# KiCad board 8851_HW-U1-VCU118_REV2-0_071417.kicad_pcb

Outline 237.5 x 173.18 mm; copper layers: TOP, 02_GND, 03_SIG1, 04_GND, 05_SIG2, 06_GND, 07_SIG3, 08_GND, 09_PWR1, 10_GND, 11_PWR2, 12_PWR3, 13_GND, 14_SIG4, 15_GND, 16_SIG5, 17_GND, 18_SIG6, 19_GND, 20_SIG7, 21_GND, BOTTOM. Coordinates in mm from the lower left corner of the outline.
Outline path: 0,173.18 0,4.4 14.78,4.4 14.78,12.53 32.83,12.53 32.83,4.43 40.7,4.43 40.7,10.75 arc(42.5,8.95) 44.3,10.75 44.3,0.5 44.8,0 54.81,0 55.31,0.5 55.31,7.34 arc(56.25,6.4) 57.19,7.34 57.19,0.5 57.69,0 126.78,0 127.28,0.5 127.28,12.53 237.5,12.53 237.5,173.18 0,173.18

## Placement (name value [footprint] x y rotation side)
B1  -  [unnamed#155]  173.33 24.78 270 top
C1  -  [unnamed#2]  53.44 52.31 270 top
C2  -  [unnamed#5]  116 57.93 90 top
C3  -  [unnamed#24]  41.93 55.3 0 top
C4  -  [unnamed#180]  115.39 54.48 0 top
C5  -  [unnamed#5]  49.38 81.8 90 top
C6  -  [unnamed]  36.88 85.67 180 top
C7  -  [unnamed]  49.75 93.8 180 top
C8  -  [unnamed#4]  50.88 81.8 90 top
C9  -  [unnamed#2]  106.59 27.74 270 top
C10  -  [unnamed#2]  105.46 27.74 270 top
C11  -  [unnamed#185]  36.38 87.05 180 top
C12  -  [unnamed#35]  41 94.05 0 top
C13  -  [unnamed#2]  112.9 122.35 270 top
C14  -  [unnamed#2]  114.15 122.35 270 top
C15  -  [unnamed#2]  117.2 119.17 270 top
C16  -  [unnamed#8]  124.95 118.7 0 top
C17  -  [unnamed#5]  93.73 17.45 90 top
C18  -  [unnamed#5]  92.61 17.45 90 top
C19  -  [unnamed#5]  89.44 15.62 90 top
C20  -  [unnamed#5]  88.32 15.62 90 top
C21  -  [unnamed#5]  85.16 17.2 90 top
C22  -  [unnamed#5]  84.03 17.2 90 top
C23  -  [unnamed#8]  88.75 20.98 0 top
C24  -  [unnamed#8]  88.75 22.1 0 top
C25  -  [unnamed#8]  78.62 22.68 0 top
C26  -  [unnamed]  81.38 25.55 180 top
C27  -  [unnamed#8]  86.5 24.93 0 top
C28  -  [unnamed#8]  78.62 21.55 0 top
C29  -  [unnamed#5]  80.82 15.75 90 top
C30  -  [unnamed#5]  79.7 15.75 90 top
C31  -  [unnamed#5]  98.15 17.45 90 top
C32  -  [unnamed#5]  97.03 17.45 90 top
C33  -  [unnamed#5]  100.96 15.87 90 top
C34  -  [unnamed#5]  102.09 15.87 90 top
C35  -  [unnamed#5]  104.9 17.47 90 top
C36  -  [unnamed#5]  106.03 17.47 90 top
C37  -  [unnamed#5]  108.84 15.87 90 top
C38  -  [unnamed#5]  109.96 15.87 90 top
C39  -  [unnamed]  34.45 64.67 180 top
C40  -  [unnamed]  35.09 69.67 180 top
C41  -  [unnamed#5]  53.03 147.25 90 top
C42  -  [unnamed#5]  112.78 17.57 90 top
C43  -  [unnamed#5]  113.9 17.57 90 top
C44  -  [unnamed#5]  116.71 15.87 90 top
C45  -  [unnamed#5]  117.84 15.87 90 top
C46  -  [unnamed#5]  121.52 17.57 90 top
C47  -  [unnamed#5]  122.65 17.57 90 top
C48  -  [unnamed#5]  124.59 15.87 90 top
C49  -  [unnamed#5]  125.71 15.87 90 top
C50  -  [unnamed#5]  74.64 17.87 90 top
C51  -  [unnamed#5]  75.76 17.87 90 top
C52  -  [unnamed#5]  70.35 15.39 90 top
C53  -  [unnamed#2]  141.12 111.92 270 top
C54  -  [unnamed]  11.91 63.35 180 top
C55  -  [unnamed#5]  3.42 69.87 90 top
C56  -  [unnamed#5]  71.47 15.39 90 top
C57  -  [unnamed#8]  6.97 73.75 0 top
C58  -  [unnamed#5]  67.39 19.12 90 top
C59  -  [unnamed#5]  68.52 19.12 90 top
C60  -  [unnamed#5]  63.09 15.87 90 top
C61  -  [unnamed#5]  64.22 15.87 90 top
C62  -  [unnamed#5]  51.25 75.05 90 top
C63  -  [unnamed#5]  50 75.05 90 top
C64  -  [unnamed#2]  18.6 89.04 270 top
C65  -  [unnamed#2]  60.8 45.25 270 top
C66  -  [unnamed#8]  55.45 60.5 0 top
C67  -  [unnamed]  63.08 43.24 180 top
C68  -  [unnamed#55]  17.51 90.25 180 top
C69  -  [unnamed#8]  58.61 44.86 0 top
C70  -  [unnamed#2]  30.77 81.8 270 top
C71  -  [unnamed]  222 71.31 180 top
C72  -  [unnamed#5]  219.25 67.55 90 top
C73  -  [unnamed#8]  227.75 88.92 0 top
C74  -  [unnamed]  229.88 77.8 180 top
C75  -  [unnamed]  55.78 136.75 180 top
C76  -  [unnamed#5]  38.31 75.49 90 top
C77  -  [unnamed#5]  32.39 131.49 90 top
C78  -  [unnamed#35]  36.84 144.55 0 top
C79  -  [unnamed#4]  26.25 141.84 90 top
C80  -  [unnamed#189]  39.63 143.3 270 top
C81  -  [unnamed#5]  197.96 15.79 90 top
C82  -  [unnamed]  36.81 144.59 180 top
C83  -  [unnamed#8]  39.12 136.68 0 top
C84  -  [unnamed#5]  34.87 140.3 90 top
C85  -  [unnamed#5]  33.66 131.49 90 top
C86  -  [unnamed]  43 133.3 180 top
C87  -  [unnamed#5]  43.5 131.49 90 top
C88  -  [unnamed#2]  100.72 26.99 270 top
C89  -  [unnamed#2]  99.6 26.99 270 top
C90  -  [unnamed#5]  38.37 130.24 90 top
C91  -  [unnamed]  144.47 121.37 180 top
C92  -  [unnamed#2]  143.62 120.17 270 top
C93  -  [unnamed#5]  37.25 130.24 90 top
C94  -  [unnamed#2]  125.28 31.3 270 top
C95  -  [unnamed#2]  124.03 31.3 270 top
C96  -  [unnamed#2]  49.73 72.82 270 top
C97  -  [unnamed]  186.25 151.55 180 top
C98  -  [unnamed#2]  183.33 141.9 270 top
C99  -  [unnamed#5]  38.58 72.7 90 top
C100  -  [unnamed#5]  116.17 98.92 90 top
C101  -  [unnamed#5]  117.7 98.92 90 top
C102  -  [unnamed]  63.08 41.99 180 top
C103  -  [unnamed]  33.37 134.93 180 top
C104  -  [unnamed#2]  85.32 103.14 270 top
C105  -  [unnamed#2]  79.32 103.39 270 top
C106  -  [unnamed#2]  73.07 103.39 270 top
C107  -  [unnamed#2]  66.82 103.39 270 top
C108  -  [unnamed#2]  72.07 100.01 270 top
C109  -  [unnamed#2]  36.75 134.43 270 top
C110  -  [unnamed#8]  39.12 137.9 0 top
C111  -  [unnamed#5]  36.5 140.3 90 top
C112  -  [unnamed#5]  39.63 143.3 90 top
C113  -  [unnamed#5]  38 140.3 90 top
C114  -  [unnamed#5]  39.5 135.01 90 top
C115  -  [unnamed#2]  31.75 131.3 270 top
C116  -  [unnamed]  33.25 136.68 180 top
C117  -  [unnamed#5]  219.38 64.67 90 top
C118  -  [unnamed]  63.08 40.74 180 top
C119  -  [unnamed]  63.08 39.49 180 top
C120  -  [unnamed#5]  223.38 68.42 90 top
C121  -  [unnamed#5]  214.21 84.62 90 top
C122  -  [unnamed#8]  55.45 35.58 0 top
C123  -  [unnamed#5]  61.4 24.13 90 top
C124  -  [unnamed#4]  186.03 132.68 90 top
C125  -  [unnamed#5]  203.42 56.95 90 top
C126  -  [unnamed#5]  54.38 74.92 90 top
C127  -  [unnamed#8]  191.2 59.16 0 top
C128  -  [unnamed#5]  192.88 60.8 90 top
C129  -  [unnamed#2]  33 144.53 270 top
C130  -  [unnamed#2]  203.72 62.17 270 top
C131  -  [unnamed#78]  205.67 57.39 90 top
C132  -  [unnamed#35]  134.47 17.82 0 top
C133  -  [unnamed]  42.98 136.49 180 top
C134  -  [unnamed#8]  42.98 136.74 0 top
C135  -  [unnamed#2]  37.84 134.43 270 top
C136  -  [unnamed#5]  31.75 133.44 90 top
C137  -  [unnamed#5]  33.75 140.3 90 top
C138  -  [unnamed]  57.62 88.55 180 top
C139  -  [unnamed#5]  39 140.3 90 top
C140  -  [unnamed]  33.25 137.8 180 top
C141  -  [unnamed#2]  35.62 134.43 270 top
C142  -  [unnamed]  29.62 133.43 180 top
C143  -  [unnamed#5]  31.25 141.63 90 top
C144  -  [unnamed#8]  28.69 145.03 0 top
C145  -  [unnamed#185]  214.44 62.12 180 top
C146  -  [unnamed#66]  213.22 68.9 90 top
C147  -  [unnamed#63]  199.34 68.8 0 top
C148  -  [unnamed#63]  199.34 72.05 0 top
C149  -  [unnamed#2]  214.21 82.5 270 top
C150  -  [unnamed]  204.54 79.74 180 top
C151  -  [unnamed#24]  219.46 81.75 0 top
C152  -  [unnamed#5]  189.21 116.78 90 top
C153  -  [unnamed#24]  168.12 119.42 0 top
C154  -  [unnamed]  189.71 118.78 180 top
C155  -  [unnamed]  170.09 69.16 180 top
C156  -  [unnamed#78]  64.12 47.17 90 top
C157  -  [unnamed#8]  171.64 67.53 0 top
C158  -  [unnamed#5]  132.92 128.24 90 top
C159  -  [unnamed]  82.75 81.05 180 top
C160  -  [unnamed]  149.5 46.42 180 top
C161  -  [unnamed#78]  141.88 107.67 90 top
C162  -  [unnamed#2]  131.57 127.01 270 top
C163  -  [unnamed#24]  176.12 119.3 0 top
C164  -  [unnamed#24]  119.75 102.42 0 top
C165  -  [unnamed#23]  119.75 102.42 180 top
C166  -  [unnamed#63]  175.25 65.17 0 top
C167  -  [unnamed#55]  132.38 123.92 180 top
C168  -  [unnamed#55]  146.38 28.8 180 top
C169  -  [unnamed#63]  129 98.3 0 top
C170  -  [unnamed#63]  165.25 98.3 0 top
C171  -  [unnamed#78]  123.38 129.05 90 top
C172  -  [unnamed#185]  136.53 27.74 180 top
C173  -  [unnamed#189]  200.72 66.17 270 top
C174  -  [unnamed#42]  181.08 140.59 270 top
C175  -  [unnamed#8]  206.09 67.92 0 top
C176  -  [unnamed#2]  113.5 31.3 270 top
C177  -  [unnamed#2]  109.5 31.3 270 top
C178  -  [unnamed#5]  109.5 31.3 90 top
C179  -  [unnamed#5]  110.88 31.3 90 top
C180  -  [unnamed#2]  110.87 31.3 270 top
C181  -  [unnamed#2]  112.25 31.3 270 top
C182  -  [unnamed#5]  112.25 31.3 90 top
C183  -  [unnamed#2]  138.97 27.32 270 top
C184  -  [unnamed#5]  205.32 58.5 90 top
C185  -  [unnamed#8]  211.47 56.17 0 top
C186  -  [unnamed#8]  210.34 67.92 0 top
C187  -  [unnamed#8]  208.22 67.92 0 top
C188  -  [unnamed]  213.49 60.5 180 top
C189  -  [unnamed#189]  203.82 69.25 270 top
C190  -  [unnamed#8]  45.95 128.83 0 top
C191  -  [unnamed]  46.95 139.43 180 top
C192  -  [unnamed#66]  48.95 134.7 90 top
C193  -  [unnamed#23]  219.46 81.75 180 top
C194  -  [unnamed#55]  198.08 39.09 180 top
C195  -  [unnamed#24]  219.46 84.62 0 top
C196  -  [unnamed#23]  174.51 89.67 180 top
C197  -  [unnamed#23]  174.51 86.17 180 top
C198  -  [unnamed#5]  111.6 98.92 90 top
C199  -  [unnamed#5]  113.12 98.92 90 top
C200  -  [unnamed#5]  105.5 98.92 90 top
C201  -  [unnamed#5]  107.02 98.92 90 top
C202  -  [unnamed#2]  103.97 98.92 270 top
C203  -  [unnamed#2]  105.5 98.92 270 top
C204  -  [unnamed]  97.53 22.38 180 top
C205  -  [unnamed#78]  182.88 44.67 90 top
C206  -  [unnamed#145]  150.21 105.69 0 top
C207  -  [unnamed#8]  124.95 119.95 0 top
C208  -  [unnamed#8]  124.95 121.2 0 top
C209  -  [unnamed#8]  124.95 122.45 0 top
C210  -  [unnamed]  126 110.24 180 top
C211  -  [unnamed]  126 109.11 180 top
C212  -  [unnamed]  114.26 112.8 180 top
C213  -  [unnamed]  114.26 111.67 180 top
C214  -  [unnamed]  114.26 115.05 180 top
C215  -  [unnamed#55]  187.78 130.93 180 top
C216  -  [unnamed#55]  187.78 127.68 180 top
C217  -  [unnamed]  114.26 113.92 180 top
C218  -  [unnamed]  114.26 117.3 180 top
C219  -  [unnamed]  114.26 116.17 180 top
C220  -  [unnamed]  125.12 111.67 180 top
C221  -  [unnamed]  125.12 112.8 180 top
C222  -  [unnamed]  125.12 113.92 180 top
C223  -  [unnamed]  125.12 115.05 180 top
C224  -  [unnamed]  125.12 116.17 180 top
C225  -  [unnamed]  125.12 117.3 180 top
C226  -  [unnamed#189]  215.71 81.5 270 top
C227  -  [unnamed#4]  215.71 84.62 90 top
C228  -  [unnamed#2]  206.83 80.75 270 top
C229  -  [unnamed#2]  233.17 101.66 270 top
C230  -  [unnamed#148]  176.56 100.53 180 top
C231  -  [unnamed#2]  206.97 83.45 270 top
C232  -  [unnamed#2]  214.21 80.37 270 top
C233  -  [unnamed#189]  205.26 83.17 270 top
C234  -  [unnamed#35]  36.38 89.8 0 top
C235  -  [unnamed#8]  36.88 88.42 0 top
C236  -  [unnamed#5]  119.53 114.77 90 top
C237  -  [unnamed#5]  26.68 154.7 90 top
C238  -  [unnamed#5]  26.65 151.48 90 top
C239  -  [unnamed#5]  53.25 74.92 90 top
C240  -  [unnamed#8]  174.62 35.67 0 top
C241  -  [unnamed#5]  24.09 98.7 90 top
C242  -  [unnamed#78]  216.88 145.66 90 top
C243  -  [unnamed#5]  22.96 98.7 90 top
C244  -  [unnamed]  57.53 104.64 180 top
C245  -  [unnamed]  57.53 103.52 180 top
C246  -  [unnamed#63]  171.38 60.7 0 top
C247  -  [unnamed#63]  129.38 119.55 0 top
C248  -  [unnamed#63]  155.62 101.5 0 top
C249  -  [unnamed#5]  152.88 54.55 90 top
C250  -  [unnamed#2]  152.5 57.17 270 top
C251  -  [unnamed#5]  146.62 98.05 90 top
C252  -  [unnamed]  149.5 50.98 180 top
C253  -  [unnamed#2]  151.5 62.3 270 top
C254  -  [unnamed#5]  148.38 98.05 90 top
C255  -  [unnamed]  149.5 52.02 180 top
C257  -  [unnamed#33]  173.53 129.95 270 top
C258  -  [unnamed#5]  183.03 136.68 90 top
C288  -  [unnamed#4]  59.14 150.35 90 top
C289  -  [unnamed#35]  51.16 156.43 0 top
C290  -  [unnamed#4]  57.15 150.35 90 top
C294  -  [unnamed#35]  86.88 28.55 0 top
C295  -  [unnamed#35]  6.75 72.17 0 top
C298  -  [unnamed#35]  216.25 140.43 0 top
C324  -  [unnamed#5]  108 21.8 90 top
C330  -  [unnamed#121]  192.96 70.55 270 top
C331  -  [unnamed#5]  151.62 80.55 90 top
C334  -  [unnamed]  149.5 72 180 top
C346  -  [unnamed#185]  15.03 62.47 180 top
C348  -  [unnamed#8]  76.02 47.66 0 top
C349  -  [unnamed#8]  68.39 47.66 0 top
C350  -  [unnamed#2]  66.82 100.01 270 top
C351  -  [unnamed#2]  85.32 100.01 270 top
C352  -  [unnamed#2]  80.57 100.01 270 top
C353  -  [unnamed#8]  68.39 33.78 0 top
C354  -  [unnamed]  76.52 33.78 180 top
C356  -  [unnamed]  57.62 85.17 180 top
C358  -  [unnamed#8]  217.63 150.78 0 top
C369  -  [unnamed]  178.53 130.93 180 top
C370  -  [unnamed]  180.66 130.93 180 top
C406  -  [unnamed#2]  181.43 140.35 270 top
C423  -  [unnamed#35]  173.18 136.73 0 top
C434  -  [unnamed]  72.89 56.16 180 top
C435  -  [unnamed#5]  72.77 50.03 90 top
C436  -  [unnamed]  79.39 56.16 180 top
C437  -  [unnamed#2]  66.52 55.03 270 top
C438  -  [unnamed#2]  66.52 41.16 270 top
C439  -  [unnamed#5]  72.77 36.16 90 top
C440  -  [unnamed]  72.89 42.28 180 top
C441  -  [unnamed]  79.39 42.28 180 top
C451  -  [unnamed#2]  63.12 85.7 270 top
C454  -  [unnamed]  175.28 142.43 180 top
C460  -  [unnamed#172]  77.13 137.34 180 top
C461  -  [unnamed#123]  130.04 107.55 90 top
C462  -  [unnamed#69]  109.54 108.04 0 top
C466  -  [unnamed#3]  112.12 159.99 0 top
C467  -  [unnamed#3]  51.16 160.14 0 top
C470  -  [unnamed#35]  11.53 63.35 0 top
C480  -  [unnamed#4]  182.93 129.6 90 top
C491  -  [unnamed#8]  71.64 47.69 0 top
C492  -  [unnamed#8]  74.02 47.66 0 top
C493  -  [unnamed]  77.25 56.14 180 top
C494  -  [unnamed]  70.64 56.16 180 top
C495  -  [unnamed#2]  80.02 33.41 270 top
C496  -  [unnamed]  77.25 42.27 180 top
C497  -  [unnamed]  70.64 42.28 180 top
C498  -  [unnamed#8]  74.02 33.78 0 top
C499  -  [unnamed#128]  196.84 132.92 180 top
C500  -  [unnamed#3]  86.88 30.3 0 top
C501  -  [unnamed#8]  169.5 41.33 0 top
C516  -  [unnamed#10]  60.54 91.88 180 top
C517  -  [unnamed#10]  60.54 89.77 180 top
C518  -  [unnamed#3]  60.54 91.88 0 top
C519  -  [unnamed#10]  61.33 83.49 180 top
C520  -  [unnamed#10]  61.33 81.51 180 top
C522  -  [unnamed]  134.86 112.57 180 top
C525  -  [unnamed#8]  187.96 168.26 0 top
C527  -  [unnamed#2]  204.23 142.55 270 top
C540  -  [unnamed#2]  127.75 14.83 270 top
C543  -  [unnamed#5]  14.03 65.72 90 top
C549  -  [unnamed#8]  217.63 152.03 0 top
C550  -  [unnamed]  200.88 144.55 180 top
C551  -  [unnamed]  203.88 144.55 180 top
C555  -  [unnamed#8]  68.77 56.16 0 top
C556  -  [unnamed#8]  70.12 43.91 0 top
C557  -  [unnamed]  69.94 46.5 180 top
C558  -  [unnamed#8]  70.12 30.03 0 top
C559  -  [unnamed]  69.94 32.62 180 top
C560  -  [unnamed#8]  68.77 42.28 0 top
C589  -  [unnamed#5]  92.83 98.92 90 top
C590  -  [unnamed]  82.75 84.8 180 top
C595  -  [unnamed#2]  92.83 98.92 270 top
C596  -  [unnamed]  82.75 47.42 180 top
C601  -  [unnamed#5]  140.12 31.18 90 top
C602  -  [unnamed]  82.75 49.92 180 top
C603  -  [unnamed]  77.98 47.66 180 top
C604  -  [unnamed#2]  78.89 33.41 270 top
C614  -  [unnamed#5]  116.25 30.18 90 top
C615  -  [unnamed#2]  120.75 98.92 270 top
C618  -  [unnamed#2]  116.25 30.18 270 top
C619  -  [unnamed]  94.83 99.3 180 top
C622  -  [unnamed#2]  107.75 31.3 270 top
C623  -  [unnamed#2]  119.22 98.92 270 top
C628  -  [unnamed#5]  97.83 98.92 90 top
C630  -  [unnamed#2]  117.62 30.18 270 top
C632  -  [unnamed#2]  97.83 98.92 270 top
C633  -  [unnamed#2]  130.38 15.3 270 top
C639  -  [unnamed#8]  81.95 91.16 0 top
C640  -  [unnamed#8]  124.8 137.46 0 top
C650  -  [unnamed#5]  171.31 19.76 90 top
C651  -  [unnamed#5]  170.06 19.76 90 top
C657  -  [unnamed]  82.75 88.42 180 top
C658  -  [unnamed]  82.75 79.8 180 top
C659  -  [unnamed]  82.75 87.3 180 top
C695  -  [unnamed#8]  70.12 57.78 0 top
C696  -  [unnamed]  69.94 60.37 180 top
C697  -  [unnamed#8]  68.77 70.03 0 top
C698  -  [unnamed#5]  66.52 89.55 90 top
C699  -  [unnamed#8]  70.5 89.28 0 top
C700  -  [unnamed#8]  68.77 97.78 0 top
C701  -  [unnamed#189]  106.25 23.93 270 top
C702  -  [unnamed]  76.52 61.53 180 top
C703  -  [unnamed#8]  68.39 61.53 0 top
C704  -  [unnamed#2]  78.89 61.16 270 top
C705  -  [unnamed]  76.52 89.28 180 top
C706  -  [unnamed#8]  68.39 89.28 0 top
C707  -  [unnamed#2]  78.89 88.91 270 top
C711  -  [unnamed#2]  110.07 98.92 270 top
C713  -  [unnamed#5]  120.75 98.92 90 top
C716  -  [unnamed]  79.39 70.03 180 top
C717  -  [unnamed#5]  72.77 63.91 90 top
C718  -  [unnamed#2]  66.52 68.91 270 top
C719  -  [unnamed]  72.89 70.03 180 top
C720  -  [unnamed#5]  72.78 90.98 90 top
C721  -  [unnamed]  72.89 97.78 180 top
C722  -  [unnamed]  79.39 97.78 180 top
C723  -  [unnamed#2]  66.52 96.66 270 top
C729  -  [unnamed]  176.41 130.93 180 top
C740  -  [unnamed#8]  173.26 138.35 0 top
C749  -  [unnamed]  77.25 70.02 180 top
C750  -  [unnamed#2]  80.02 61.16 270 top
C751  -  [unnamed#8]  74.02 61.53 0 top
C752  -  [unnamed]  70.64 70.03 180 top
C753  -  [unnamed#2]  80.02 88.91 270 top
C754  -  [unnamed#8]  74.02 89.28 0 top
C755  -  [unnamed]  70.64 97.78 180 top
C756  -  [unnamed]  77.25 97.77 180 top
C774  -  [unnamed]  27.5 114.05 180 top
C775  -  [unnamed]  27 124.05 180 top
C780  -  [unnamed#2]  15.2 112.99 270 top
C788  -  [unnamed#36]  29.92 126.15 90 top
C789  -  [unnamed#36]  13.65 144.52 90 top
C790  -  [unnamed#36]  16.4 144.52 90 top
C791  -  [unnamed#36]  19.15 144.52 90 top
C792  -  [unnamed#55]  4.18 123.65 180 top
C794  -  [unnamed#35]  17.67 140.35 0 top
C795  -  [unnamed#78]  23.62 145.1 90 top
C796  -  [unnamed#42]  30.05 126.25 270 top
C798  -  [unnamed#5]  23.48 126.02 90 top
C801  -  [unnamed]  20.68 124.75 180 top
C803  -  [unnamed]  22.38 141.63 180 top
C805  -  [unnamed#8]  22.42 139.8 0 top
C806  -  [unnamed]  10.12 124.8 180 top
C808  -  [unnamed]  12.18 124.8 180 top
C810  -  [unnamed#2]  16.05 127.43 270 top
C811  -  [unnamed]  16.3 124.75 180 top
C816  -  [unnamed#24]  4.18 123.77 0 top
C820  -  [unnamed]  18.43 124.8 180 top
C821  -  [unnamed#8]  10 140.38 0 top
C822  -  [unnamed]  17.93 132 180 top
C825  -  [unnamed#5]  7.05 138.8 90 top
C828  -  [unnamed]  12.41 140.38 180 top
C830  -  [unnamed#8]  13.05 132.05 0 top
C833  -  [unnamed#5]  8.18 125.5 90 top
C834  -  [unnamed#8]  14.62 140.63 0 top
C835  -  [unnamed#5]  16.05 134.8 90 top
C837  -  [unnamed#5]  7.8 127.63 90 top
C841  -  [unnamed#2]  16.05 136.88 270 top
C842  -  [unnamed#2]  7.67 136.63 270 top
C843  -  [unnamed#5]  16.05 130.63 90 top
C844  -  [unnamed#2]  7.05 138.8 270 top
C848  -  [unnamed#2]  160.07 20.94 270 top
C849  -  [unnamed#8]  160.81 17.22 0 top
C850  -  [unnamed#2]  159.95 18.82 270 top
C851  -  [unnamed#2]  163.82 21.19 270 top
C852  -  [unnamed]  162.95 17.17 180 top
C853  -  [unnamed#2]  163.94 19.01 270 top
C856  -  [unnamed#180]  110.47 70.23 0 top
C858  -  [unnamed#19]  120.79 69.73 270 top
C859  -  [unnamed]  35.15 107.12 180 top
C862  -  [unnamed]  37.95 101.88 180 top
C864  -  [unnamed#5]  12.69 118.31 90 top
C865  -  [unnamed#5]  7.83 117.93 90 top
C866  -  [unnamed#23]  17.56 117.81 180 top
C867  -  [unnamed#34]  7.83 118.68 270 top
C868  -  [unnamed#34]  5.08 118.68 270 top
C869  -  [unnamed#2]  34.9 111.15 270 top
C870  -  [unnamed#5]  34.95 109 90 top
C871  -  [unnamed#8]  219.88 147.78 0 top
C872  -  [unnamed#8]  16.64 115.41 0 top
C873  -  [unnamed#5]  29.27 104.88 90 top
C874  -  [unnamed#2]  40.98 107.3 270 top
C876  -  [unnamed#10]  38.35 107.3 180 top
C878  -  [unnamed]  10.56 118.64 180 top
C879  -  [unnamed#8]  13.66 115.44 0 top
C891  -  [unnamed#4]  9.87 65.86 90 top
C892  -  [unnamed#4]  11.57 66.34 90 top
C893  -  [unnamed#5]  51.84 147.24 90 top
C894  -  [unnamed#5]  50.72 147.24 90 top
C895  -  [unnamed#42]  70.88 144.93 270 top
C896  -  [unnamed#42]  66.38 144.93 270 top
C902  -  [unnamed#24]  111.66 103.8 0 top
C903  -  [unnamed#24]  118.88 107.17 0 top
C905  -  [unnamed#55]  38.12 101.95 180 top
C906  -  [unnamed#34]  167 79.17 270 top
C907  -  [unnamed#34]  150 90.42 270 top
C908  -  [unnamed#23]  154.5 82.92 180 top
C909  -  [unnamed#34]  167 67.55 270 top
C910  -  [unnamed#4]  208.13 143.03 90 top
C911  -  [unnamed#135]  107.73 119.13 90 top
C913  -  [unnamed#3]  25.8 137.88 0 top
C914  -  [unnamed#36]  167 61.17 90 top
C915  -  [unnamed#148]  176.56 111.53 180 top
C916  -  [unnamed#23]  157.68 69.28 180 top
C917  -  [unnamed#36]  167 73.42 90 top
C918  -  [unnamed#23]  181.38 74.05 180 top
C919  -  [unnamed]  82.75 56.3 180 top
C920  -  [unnamed]  149.88 95.3 180 top
C921  -  [unnamed#2]  113.12 98.92 270 top
C922  -  [unnamed#2]  114.62 98.92 270 top
C923  -  [unnamed]  149.88 94.05 180 top
C924  -  [unnamed#2]  108.55 98.92 270 top
C953  -  [unnamed#8]  70.12 71.16 0 top
C954  -  [unnamed]  69.94 74.25 180 top
C955  -  [unnamed#8]  68.77 83.91 0 top
C956  -  [unnamed#55]  117.88 144.25 180 top
C957  -  [unnamed#63]  129.25 144.15 0 top
C1011  -  [unnamed#4]  129.66 152.87 90 top
C1012  -  [unnamed#35]  120.17 155.7 0 top
C1013  -  [unnamed#4]  126.04 152.87 90 top
C1052  -  [unnamed#8]  68.39 75.41 0 top
C1053  -  [unnamed#8]  76.02 75.41 0 top
C1054  -  [unnamed]  77.98 75.41 180 top
C1070  -  [unnamed]  79.39 83.91 180 top
C1071  -  [unnamed#2]  72.83 76.98 270 top
C1072  -  [unnamed]  72.89 83.91 180 top
C1073  -  [unnamed#2]  66.52 82.78 270 top
C1108  -  [unnamed#3]  180.5 159.76 0 top
C1109  -  [unnamed#3]  120.17 159.41 0 top
C1138  -  [unnamed#8]  71.64 75.32 0 top
C1139  -  [unnamed]  70.64 83.91 180 top
C1140  -  [unnamed#8]  74.02 75.32 0 top
C1141  -  [unnamed]  77.25 83.89 180 top
C1142  -  [unnamed]  144.75 100.55 180 top
C1143  -  [unnamed#8]  162.18 41.13 0 top
C1144  -  [unnamed]  162.31 43.74 180 top
C1145  -  [unnamed]  154.06 43.74 180 top
C1146  -  [unnamed]  164.81 55.98 180 top
C1147  -  [unnamed]  162.31 57.62 180 top
C1148  -  [unnamed]  154.06 57.62 180 top
C1149  -  [unnamed#8]  162.18 68.88 0 top
C1150  -  [unnamed]  162.31 71.49 180 top
C1151  -  [unnamed]  154.06 71.49 180 top
C1152  -  [unnamed#8]  162.18 82.74 0 top
C1153  -  [unnamed]  162.31 85.37 180 top
C1154  -  [unnamed]  154.06 85.37 180 top
C1155  -  [unnamed#2]  152.4 98.64 270 top
C1156  -  [unnamed#2]  160.28 102.39 270 top
C1157  -  [unnamed#2]  158.65 98.64 270 top
C1158  -  [unnamed#8]  150.62 98.55 0 top
C1159  -  [unnamed#2]  164.9 98.64 270 top
C1160  -  [unnamed]  154.06 29.62 180 top
C1161  -  [unnamed#8]  167.06 29.63 0 top
C1162  -  [unnamed]  162.31 29.62 180 top
C1163  -  [unnamed]  167.22 91.41 180 top
C1164  -  [unnamed#8]  142.62 100.55 0 top
C1165  -  [unnamed]  161.43 52.24 180 top
C1166  -  [unnamed]  153.24 52.24 180 top
C1167  -  [unnamed#2]  164.06 52.62 270 top
C1168  -  [unnamed]  161.43 66.12 180 top
C1169  -  [unnamed]  153.24 66.12 180 top
C1170  -  [unnamed#2]  164.06 66.49 270 top
C1171  -  [unnamed]  161.04 80.12 180 top
C1172  -  [unnamed]  153.24 80.12 180 top
C1173  -  [unnamed#2]  164.06 80.37 270 top
C1174  -  [unnamed]  153.24 93.99 180 top
C1175  -  [unnamed]  161.22 94 180 top
C1176  -  [unnamed#2]  164.06 94.24 270 top
C1177  -  [unnamed]  161.22 38.25 180 top
C1178  -  [unnamed]  153.24 38.24 180 top
C1179  -  [unnamed#2]  153.65 102.39 270 top
C1180  -  [unnamed#2]  164.9 102.39 270 top
C1181  -  [unnamed#5]  148.28 102.26 90 top
C1182  -  [unnamed#2]  164.06 38.49 270 top
C1183  -  [unnamed#33]  145.98 106.99 270 top
C1184  -  [unnamed#33]  149.97 106.99 270 top
C1185  -  [unnamed#33]  147.98 106.99 270 top
C1186  -  [unnamed#3]  141.92 107.93 0 top
C1187  -  [unnamed#3]  141.92 105.91 0 top
C1188  -  [unnamed]  157.34 52.24 180 top
C1189  -  [unnamed]  164.68 43.74 180 top
C1190  -  [unnamed#5]  159.31 44.99 90 top
C1191  -  [unnamed#5]  160.25 42.92 90 top
C1192  -  [unnamed#5]  160.33 56.86 90 top
C1193  -  [unnamed]  164.68 57.62 180 top
C1194  -  [unnamed]  157.34 66.12 180 top
C1195  -  [unnamed#5]  159.31 58.87 90 top
C1196  -  [unnamed]  157.19 80.12 180 top
C1197  -  [unnamed]  164.68 71.49 180 top
C1198  -  [unnamed#5]  159.31 72.74 90 top
C1199  -  [unnamed#8]  151.88 71.3 0 top
C1200  -  [unnamed#2]  159.43 87.62 270 top
C1201  -  [unnamed#2]  151.67 86.49 270 top
C1202  -  [unnamed]  157.34 94 180 top
C1203  -  [unnamed]  164.38 85.37 180 top
C1204  -  [unnamed]  164.68 29.62 180 top
C1205  -  [unnamed#2]  151.67 30.74 270 top
C1206  -  [unnamed#5]  159.31 30.87 90 top
C1207  -  [unnamed]  157.34 38.25 180 top
C1208  -  [unnamed]  142.25 103.67 180 top
C1209  -  [unnamed]  159.43 52.24 180 top
C1210  -  [unnamed]  157.49 43.74 180 top
C1211  -  [unnamed]  154.31 47.49 180 top
C1212  -  [unnamed#2]  165.18 52.62 270 top
C1213  -  [unnamed]  159.43 66.12 180 top
C1214  -  [unnamed]  157.49 57.62 180 top
C1215  -  [unnamed#2]  165.18 66.49 270 top
C1216  -  [unnamed]  154.31 61.37 180 top
C1217  -  [unnamed#2]  165.18 80.37 270 top
C1218  -  [unnamed]  159.13 80.12 180 top
C1219  -  [unnamed]  154.31 75.24 180 top
C1220  -  [unnamed]  157.49 71.49 180 top
C1221  -  [unnamed]  159.31 93.99 180 top
C1222  -  [unnamed]  157.49 85.37 180 top
C1223  -  [unnamed#2]  165.18 94.24 270 top
C1224  -  [unnamed]  154.31 89.12 180 top
C1225  -  [unnamed#2]  165.18 38.49 270 top
C1226  -  [unnamed]  157.49 29.62 180 top
C1227  -  [unnamed]  154.31 33.37 180 top
C1228  -  [unnamed]  159.31 38.24 180 top
C1232  -  [unnamed#8]  101.03 117.68 0 top
C1233  -  [unnamed#5]  92.25 106.48 90 top
C1235  -  [unnamed#8]  66.15 112.06 0 top
C1236  -  [unnamed#8]  80.88 114.3 0 top
C1237  -  [unnamed#5]  82.9 108.56 90 top
C1238  -  [unnamed#2]  82.9 110.68 270 top
C1239  -  [unnamed#2]  82.9 116.06 270 top
C1240  -  [unnamed#2]  82.9 112.81 270 top
C1241  -  [unnamed#2]  82.9 118.06 270 top
C1242  -  [unnamed#8]  88.28 106.68 0 top
C1243  -  [unnamed#2]  91.62 123.67 270 top
C1244  -  [unnamed#8]  101.03 116.43 0 top
C1245  -  [unnamed#2]  100.9 120.81 270 top
C1246  -  [unnamed]  90.65 106.68 180 top
C1247  -  [unnamed#5]  58.98 129.35 90 top
C1269  -  [unnamed]  97.4 122.31 180 top
C1270  -  [unnamed#8]  83.65 120.93 0 top
C1271  -  [unnamed#2]  74.03 120.56 270 top
C1272  -  [unnamed]  73.97 106.55 180 top
C1273  -  [unnamed]  54.46 129 180 top
C1277  -  [unnamed#8]  89.53 114.43 0 top
C1279  -  [unnamed#5]  92.9 119.31 90 top
C1280  -  [unnamed#2]  99.65 120.81 270 top
C1281  -  [unnamed]  85.65 121.18 180 top
C1282  -  [unnamed]  94.78 114.56 180 top
C1283  -  [unnamed#5]  74.03 112.06 90 top
C1284  -  [unnamed#5]  74.03 109.18 90 top
C1285  -  [unnamed]  70.4 114.18 180 top
C1286  -  [unnamed#8]  78.65 114.18 0 top
C1287  -  [unnamed#5]  80.86 121.43 90 top
C1288  -  [unnamed#8]  68.53 107.58 0 top
C1289  -  [unnamed#8]  53.77 134.23 0 top
C1290  -  [unnamed#5]  86.65 107.06 90 top
C1291  -  [unnamed#8]  86.53 114.43 0 top
C1292  -  [unnamed#8]  101 111.61 0 top
C1293  -  [unnamed]  95.28 122.31 180 top
C1294  -  [unnamed#5]  100.53 108.15 90 top
C1295  -  [unnamed#5]  84.9 109.18 90 top
C1296  -  [unnamed]  76.62 106.58 180 top
C1298  -  [unnamed#2]  93.03 110.56 270 top
C1299  -  [unnamed#5]  79 106.08 90 top
C1300  -  [unnamed#5]  80.25 106.08 90 top
C1301  -  [unnamed#8]  68.78 121.93 0 top
C1303  -  [unnamed#2]  141.1 21.3 270 top
C1304  -  [unnamed]  140.64 24.52 180 top
C1305  -  [unnamed#5]  141.1 21.3 90 top
C1306  -  [unnamed#5]  155.12 23.8 90 top
C1311  -  [unnamed#8]  45.8 115.65 0 top
C1313  -  [unnamed#189]  45.85 126.37 270 top
C1314  -  [unnamed#10]  38.17 124.14 180 top
C1315  -  [unnamed#78]  38.55 114.52 90 top
C1316  -  [unnamed#78]  35.3 114.52 90 top
C1317  -  [unnamed#35]  38.72 114.02 0 top
C1318  -  [unnamed#5]  40.05 118.02 90 top
C1325  -  [unnamed]  49.48 117.25 180 top
C1327  -  [unnamed#5]  51.82 123.4 90 top
C1328  -  [unnamed#5]  40.05 122.27 90 top
C1329  -  [unnamed#5]  40.05 120.15 90 top
C1330  -  [unnamed#2]  47.48 125.42 270 top
C1331  -  [unnamed#180]  121.3 56.43 0 top
C1332  -  [unnamed#182]  135.08 52.51 180 top
C1336  -  [unnamed#35]  38.73 115.75 0 top
C1342  -  [unnamed#2]  56.56 116.44 270 top
C1343  -  [unnamed#2]  15.06 120.19 270 top
C1344  -  [unnamed#8]  57.96 23.68 0 top
C1345  -  [unnamed#2]  53.44 27.14 270 top
C1346  -  [unnamed#5]  51.25 24.68 90 top
C1347  -  [unnamed#5]  48.23 23.96 90 top
C1348  -  [unnamed#34]  62.73 118.18 270 top
C1349  -  [unnamed#24]  41.93 20.38 0 top
C1350  -  [unnamed#24]  41.93 30.13 0 top
C1351  -  [unnamed#24]  41.93 26.88 0 top
C1352  -  [unnamed#24]  41.93 23.63 0 top
C1353  -  [unnamed#24]  61 125.38 0 top
C1354  -  [unnamed#24]  61 122.63 0 top
C1356  -  [unnamed#5]  60.24 116.33 90 top
C1358  -  [unnamed#5]  56.7 121.17 90 top
C1359  -  [unnamed#8]  58.59 116.82 0 top
C1361  -  [unnamed#5]  5.05 158.4 90 top
C1362  -  [unnamed#5]  6.42 158.4 90 top
C1363  -  [unnamed#8]  88.75 23.93 0 top
C1364  -  [unnamed#8]  88.75 25.05 0 top
C1386  -  [unnamed#33]  52.33 129.5 270 top
C1387  -  [unnamed#66]  52.33 129.5 90 top
C1388  -  [unnamed#66]  62.13 131.11 90 top
C1389  -  [unnamed#66]  60.02 131.11 90 top
C1390  -  [unnamed#66]  64.26 131.11 90 top
C1391  -  [unnamed#8]  71.62 107.55 0 top
C1392  -  [unnamed#5]  74.03 116.56 90 top
C1395  -  [unnamed#8]  149.82 118.4 0 top
C1396  -  [unnamed#2]  218.08 53.78 270 top
C1397  -  [unnamed#2]  103.83 27.63 270 top
C1398  -  [unnamed#2]  102.58 27.63 270 top
C1401  -  [unnamed]  155.05 118.1 180 top
C1402  -  [unnamed#5]  217.78 48.55 90 top
C1404  -  [unnamed#5]  190.7 27.78 90 top
C1406  -  [unnamed#55]  149.12 109.8 180 top
C1407  -  [unnamed#63]  150.32 116.15 0 top
C1408  -  [unnamed#4]  155 107.37 90 top
C1409  -  [unnamed#35]  207.06 48.6 0 top
C1411  -  [unnamed#35]  180.08 27.6 0 top
C1412  -  [unnamed#3]  161.77 108.6 0 top
C1413  -  [unnamed#33]  208.28 41.83 270 top
C1415  -  [unnamed#33]  189.59 15.78 270 top
C1419  -  [unnamed#34]  139.57 128.44 270 top
C1420  -  [unnamed#34]  61.08 83.01 270 top
C1421  -  [unnamed#34]  215.26 53.34 270 top
C1423  -  [unnamed#36]  166.5 34.3 90 top
C1424  -  [unnamed#34]  101.33 108.11 270 top
C1425  -  [unnamed#24]  87.88 124.05 0 top
C1426  -  [unnamed#34]  65.78 116.36 270 top
C1427  -  [unnamed#34]  65.51 108.52 270 top
C1428  -  [unnamed#23]  50.4 117.47 180 top
C1429  -  [unnamed#42]  161.67 121.72 270 top
C1430  -  [unnamed#42]  164.92 121.72 270 top
C1431  -  [unnamed#55]  222.03 41.93 180 top
C1432  -  [unnamed#55]  222.03 38.68 180 top
C1437  -  [unnamed#63]  179.5 21.55 0 top
C1438  -  [unnamed#63]  179.83 30.72 0 top
C1439  -  [unnamed#63]  179.83 33.97 0 top
C1440  -  [unnamed#63]  178.88 18.3 0 top
C1441  -  [unnamed#4]  171.79 17.86 90 top
C1442  -  [unnamed#185]  159.05 121.1 180 top
C1443  -  [unnamed#4]  220.78 44.55 90 top
C1445  -  [unnamed#189]  191.33 20.22 270 top
C1446  -  [unnamed#2]  160.8 115.72 270 top
C1447  -  [unnamed]  215.41 42.8 180 top
C1449  -  [unnamed#5]  187.95 20.22 90 top
C1450  -  [unnamed]  149.5 76.42 180 top
C1451  -  [unnamed]  82.75 62.3 180 top
C1452  -  [unnamed]  149.5 78.67 180 top
C1453  -  [unnamed]  149.5 77.55 180 top
C1454  -  [unnamed]  82.75 59.8 180 top
C1455  -  [unnamed]  149.5 79.8 180 top
C1462  -  [unnamed]  149.5 47.55 180 top
C1463  -  [unnamed]  149.5 45.17 180 top
C1464  -  [unnamed]  149.5 83.08 180 top
C1465  -  [unnamed]  149.5 69.8 180 top
C1466  -  [unnamed#5]  143.5 97.8 90 top
C1467  -  [unnamed]  149.5 39.55 180 top
C1474  -  [unnamed]  82.75 46.17 180 top
C1475  -  [unnamed#2]  141.38 31.18 270 top
C1476  -  [unnamed#5]  110.07 98.92 90 top
C1477  -  [unnamed#5]  141.38 31.18 90 top
C1478  -  [unnamed#2]  96.58 98.92 270 top
C1479  -  [unnamed#5]  91.58 98.92 90 top
C1480  -  [unnamed#2]  107.02 98.92 270 top
C1481  -  [unnamed#2]  140.12 31.18 270 top
C1483  -  [unnamed#5]  108.55 98.92 90 top
C1484  -  [unnamed#5]  102.45 98.92 90 top
C1485  -  [unnamed#5]  119.22 98.92 90 top
C1486  -  [unnamed#23]  159.75 54.17 180 top
C1487  -  [unnamed#55]  77 72.55 180 top
C1488  -  [unnamed#55]  75.38 86.42 180 top
C1504  -  [unnamed#2]  99.38 98.92 270 top
C1505  -  [unnamed]  82.75 48.67 180 top
C1506  -  [unnamed#2]  132.63 31.18 270 top
C1515  -  [unnamed#2]  133.88 31.18 270 top
C1516  -  [unnamed#2]  126.62 31.3 270 top
C1517  -  [unnamed#5]  107.75 31.3 90 top
C1518  -  [unnamed]  82.75 83.55 180 top
C1519  -  [unnamed]  82.75 44.92 180 top
C1520  -  [unnamed#5]  99.38 98.92 90 top
C1523  -  [unnamed#8]  151.37 116.5 0 top
C1524  -  [unnamed#2]  216.18 52.23 270 top
C1526  -  [unnamed#2]  190.08 31.35 270 top
C1527  -  [unnamed#5]  147.54 112.72 90 top
C1528  -  [unnamed]  209.53 54.55 180 top
C1530  -  [unnamed]  191.45 43.47 180 top
C1531  -  [unnamed#2]  160.8 111.47 270 top
C1532  -  [unnamed#2]  160.8 113.6 270 top
C1533  -  [unnamed]  211.16 42.8 180 top
C1534  -  [unnamed]  213.28 42.8 180 top
C1537  -  [unnamed]  184.7 22.72 180 top
C1538  -  [unnamed]  187.2 21.97 180 top
C1539  -  [unnamed#5]  153.37 108.32 90 top
C1540  -  [unnamed#8]  208.01 50.23 0 top
C1542  -  [unnamed#8]  180.7 29.35 0 top
C1543  -  [unnamed#185]  162.12 118 180 top
C1544  -  [unnamed#4]  217.68 41.48 90 top
C1546  -  [unnamed#4]  190.08 20.22 90 top
C1547  -  [unnamed#5]  96.58 98.92 90 top
C1548  -  [unnamed#5]  90.33 98.92 90 top
C1549  -  [unnamed#5]  89.08 98.92 90 top
C1550  -  [unnamed#5]  126.62 31.3 90 top
C1551  -  [unnamed#8]  57.96 48.85 0 top
C1552  -  [unnamed#5]  51.25 49.85 90 top
C1553  -  [unnamed#5]  48.23 49.14 90 top
C1554  -  [unnamed#24]  41.93 45.55 0 top
C1555  -  [unnamed#24]  41.93 52.05 0 top
C1556  -  [unnamed#24]  41.93 48.8 0 top
C1557  -  [unnamed]  82.75 78.55 180 top
C1558  -  [unnamed]  82.75 82.3 180 top
C1559  -  [unnamed]  82.75 86.05 180 top
C1566  -  [unnamed#5]  2.92 162.15 90 top
C1567  -  [unnamed#5]  16.05 132.75 90 top
C1568  -  [unnamed]  149.5 40.92 180 top
C1569  -  [unnamed]  149.5 43.92 180 top
C1570  -  [unnamed]  149.5 84.2 180 top
C1571  -  [unnamed]  149.5 70.92 180 top
C1572  -  [unnamed#8]  149.5 53.05 0 top
C1573  -  [unnamed]  149.5 42.42 180 top
C1574  -  [unnamed]  82.75 71.17 180 top
C1575  -  [unnamed]  149.5 75.42 180 top
C1576  -  [unnamed]  82.75 63.55 180 top
C1577  -  [unnamed]  82.75 61.05 180 top
C1578  -  [unnamed#2]  122.88 31.43 270 top
C1579  -  [unnamed#8]  25.13 136.05 0 top
C1580  -  [unnamed#8]  78.62 25.05 0 top
C1581  -  [unnamed#8]  78.62 23.93 0 top
C1582  -  [unnamed#5]  3.42 82.5 90 top
C1583  -  [unnamed#8]  6.97 86.37 0 top
C1584  -  [unnamed#5]  214.21 114.87 90 top
C1585  -  [unnamed#2]  214.21 112.75 270 top
C1586  -  [unnamed#8]  227.36 103.13 0 top
C1587  -  [unnamed#2]  232.79 114.4 270 top
C1588  -  [unnamed#5]  206.83 108.62 90 top
C1589  -  [unnamed#2]  214.21 102.5 270 top
C1590  -  [unnamed#5]  214.21 104.62 90 top
C1591  -  [unnamed#5]  206.83 98.37 90 top
C1592  -  [unnamed#2]  214.21 92.25 270 top
C1593  -  [unnamed#5]  214.21 94.37 90 top
C1594  -  [unnamed#5]  206.83 88.12 90 top
C1595  -  [unnamed]  182.03 58.43 180 top
C1596  -  [unnamed#8]  184.28 58.43 0 top
C1597  -  [unnamed#5]  171.63 50.96 90 top
C1598  -  [unnamed#2]  177.88 42.96 270 top
C1599  -  [unnamed#5]  178.76 64.61 90 top
C1600  -  [unnamed#2]  148.69 136.65 270 top
C1601  -  [unnamed#5]  148.69 138.9 90 top
C1602  -  [unnamed]  158.31 130.67 180 top
C1603  -  [unnamed#8]  166.06 137.67 0 top
C1604  -  [unnamed#5]  141.43 134.17 90 top
C1605  -  [unnamed#23]  219.46 112.5 180 top
C1606  -  [unnamed#24]  219.46 112.5 0 top
C1607  -  [unnamed#24]  219.46 115.37 0 top
C1608  -  [unnamed#34]  234.67 94.79 270 top
C1609  -  [unnamed#24]  219.46 105.12 0 top
C1610  -  [unnamed#24]  219.46 102.25 0 top
C1611  -  [unnamed#23]  219.46 102.25 180 top
C1612  -  [unnamed#24]  219.46 94.87 0 top
C1613  -  [unnamed#23]  219.46 92 180 top
C1614  -  [unnamed#24]  219.46 92 0 top
C1615  -  [unnamed#36]  180.32 51.48 90 top
C1616  -  [unnamed#34]  183.19 51.48 270 top
C1617  -  [unnamed#34]  169.3 55.9 270 top
C1618  -  [unnamed#24]  154.13 139.1 0 top
C1619  -  [unnamed#23]  154.13 136.22 180 top
C1620  -  [unnamed#24]  162.38 126.22 0 top
C1621  -  [unnamed#36]  183.19 51.48 90 top
C1622  -  [unnamed#34]  180.32 51.48 270 top
C1623  -  [unnamed#24]  154.13 136.22 0 top
C1624  -  [unnamed#23]  154.13 139.1 180 top
C1625  -  [unnamed#35]  54.47 169.49 0 top
C1626  -  [unnamed#4]  50.65 150.35 90 top
C1627  -  [unnamed#4]  123.41 158.78 90 top
C1628  -  [unnamed#4]  119.54 152.87 90 top
C1629  -  [unnamed#4]  225.91 94.67 90 top
C1630  -  [unnamed#4]  168.88 51.58 90 top
C1631  -  [unnamed#185]  157.68 127.42 180 top
C1632  -  [unnamed#42]  47 144.8 270 top
C1633  -  [unnamed#63]  136.12 144.05 0 top
C1634  -  [unnamed#3]  231.75 127.17 0 top
C1635  -  [unnamed#66]  176.56 57.54 90 top
C1636  -  [unnamed#10]  146.81 130.92 180 top
C1637  -  [unnamed]  222.17 99.54 180 top
C1638  -  [unnamed#8]  169.12 46.94 0 top
C1639  -  [unnamed#5]  162.08 128.9 90 top
C1640  -  [unnamed#35]  6.75 84.8 0 top
C1641  -  [unnamed#35]  51.16 158.16 0 top
C1642  -  [unnamed#35]  54.47 167.86 0 top
C1643  -  [unnamed#35]  54.47 166.11 0 top
C1644  -  [unnamed#4]  53.9 150.35 90 top
C1645  -  [unnamed#4]  55.53 150.35 90 top
C1646  -  [unnamed#4]  49.03 150.35 90 top
C1647  -  [unnamed#4]  52.28 150.35 90 top
C1648  -  [unnamed#4]  60.89 150.35 90 top
C1649  -  [unnamed#35]  122.79 167.53 0 top
C1650  -  [unnamed#4]  123.04 164.65 90 top
C1651  -  [unnamed#35]  120.17 157.43 0 top
C1652  -  [unnamed#4]  127.66 152.87 90 top
C1653  -  [unnamed#4]  121.16 152.87 90 top
C1654  -  [unnamed#4]  122.79 152.87 90 top
C1655  -  [unnamed#4]  124.41 152.87 90 top
C1656  -  [unnamed#4]  131.41 152.87 90 top
C1657  -  [unnamed#189]  215.71 112.25 270 top
C1658  -  [unnamed#4]  215.71 115.37 90 top
C1659  -  [unnamed#4]  224.26 94.67 90 top
C1660  -  [unnamed#189]  234.29 114.65 270 top
C1661  -  [unnamed#4]  215.71 105.12 90 top
C1662  -  [unnamed#189]  215.71 102 270 top
C1663  -  [unnamed#189]  215.71 91.75 270 top
C1664  -  [unnamed#4]  215.71 94.87 90 top
C1665  -  [unnamed#185]  181.78 56.93 180 top
C1666  -  [unnamed#35]  184.91 56.93 0 top
C1667  -  [unnamed#4]  170.38 51.58 90 top
C1668  -  [unnamed#189]  179.13 42.58 270 top
C1669  -  [unnamed#35]  172.58 58.33 0 top
C1670  -  [unnamed#35]  172.58 55.58 0 top
C1671  -  [unnamed#189]  150.19 136.4 270 top
C1672  -  [unnamed#4]  150.19 139.53 90 top
C1673  -  [unnamed#185]  157.68 129.17 180 top
C1674  -  [unnamed#35]  166.43 138.92 0 top
C1675  -  [unnamed#185]  154.56 127.83 180 top
C1676  -  [unnamed#185]  154.62 130.88 180 top
C1677  -  [unnamed#2]  206.83 111.25 270 top
C1678  -  [unnamed#2]  206.83 101 270 top
C1679  -  [unnamed#2]  206.83 90.75 270 top
C1680  -  [unnamed]  181.18 65.71 180 top
C1681  -  [unnamed#2]  141.43 136.29 270 top
C1683  -  [unnamed#5]  230.67 101.66 90 top
C1684  -  [unnamed#5]  233.17 101.66 90 top
C1685  -  [unnamed#5]  235.67 101.66 90 top
C1688  -  [unnamed#5]  226.28 110.91 90 top
C1689  -  [unnamed#5]  225.39 108.47 90 top
C1690  -  [unnamed#2]  223.67 102.79 270 top
C1691  -  [unnamed#5]  223.92 98.91 90 top
C1694  -  [unnamed]  169.13 47.96 180 top
C1695  -  [unnamed#8]  169.13 44.85 0 top
C1698  -  [unnamed#2]  161.06 128.92 270 top
C1699  -  [unnamed#5]  164.17 128.92 90 top
C1700  -  [unnamed#2]  206.97 113.95 270 top
C1701  -  [unnamed#2]  206.97 103.7 270 top
C1702  -  [unnamed#2]  206.97 93.45 270 top
C1703  -  [unnamed]  183.3 65.71 180 top
C1704  -  [unnamed#2]  141.43 138.42 270 top
C1705  -  [unnamed#2]  214.21 110.62 270 top
C1706  -  [unnamed#2]  214.21 100.37 270 top
C1707  -  [unnamed#2]  214.21 90.12 270 top
C1708  -  [unnamed]  179.91 58.43 180 top
C1709  -  [unnamed#8]  149.57 133.73 0 top
C1712  -  [unnamed]  235.25 114.05 180 top
C1713  -  [unnamed#5]  224.26 107.34 90 top
C1714  -  [unnamed#5]  235.67 103.91 90 top
C1715  -  [unnamed#8]  177.76 46.96 0 top
C1716  -  [unnamed#2]  177.49 49.31 270 top
C1717  -  [unnamed#5]  162.06 137.54 90 top
C1718  -  [unnamed#8]  159.7 137.28 0 top
C1719  -  [unnamed#2]  225.42 106.41 270 top
C1720  -  [unnamed#2]  175.49 49.31 270 top
C1721  -  [unnamed#8]  159.7 135.28 0 top
C1722  -  [unnamed]  169.13 47.96 180 top
C1723  -  [unnamed#2]  161.06 128.92 270 top
C1724  -  [unnamed#8]  169.13 42.46 0 top
C1725  -  [unnamed#5]  166.56 128.92 90 top
C1731  -  [unnamed#35]  138.37 100.67 0 top
C1732  -  [unnamed#34]  136.74 128.44 270 top
C1733  -  [unnamed#23]  111.66 103.8 180 top
C1734  -  [unnamed#23]  98 30.93 180 top
C1735  -  [unnamed#24]  92.25 30.93 0 top
C1736  -  [unnamed#23]  92.25 30.93 180 top
C1737  -  [unnamed#23]  118.88 107.17 180 top
C1738  -  [unnamed#23]  119.12 124.8 180 top
C1739  -  [unnamed#24]  98 30.93 0 top
C1740  -  [unnamed#24]  119.12 124.8 0 top
C1741  -  [unnamed#24]  103.88 30.93 0 top
C1742  -  [unnamed#34]  166 115.17 270 top
C1743  -  [unnamed#23]  177.26 70.99 180 top
C1744  -  [unnamed#23]  177.26 68.29 180 top
C1745  -  [unnamed#34]  167 85.05 270 top
C1746  -  [unnamed#34]  124.14 103.8 270 top
C1747  -  [unnamed#34]  166 109.42 270 top
C1748  -  [unnamed#36]  124.14 103.8 90 top
C1749  -  [unnamed#23]  172.88 78.67 180 top
C1750  -  [unnamed#24]  127.38 28.05 0 top
C1751  -  [unnamed#23]  103.88 30.93 180 top
C1752  -  [unnamed#23]  127.38 28.05 180 top
C1753  -  [unnamed#185]  137.43 111.02 180 top
C1754  -  [unnamed#5]  134.25 110.42 90 top
C1755  -  [unnamed#5]  114.62 98.92 90 top
C1756  -  [unnamed]  82.75 55.05 180 top
C1757  -  [unnamed#23]  187.26 82.3 180 top
C1758  -  [unnamed#23]  187.26 90.05 180 top
C1759  -  [unnamed#5]  92.77 116.56 90 top
C1778  -  [unnamed#189]  205.26 113.92 270 top
C1779  -  [unnamed#189]  205.26 103.67 270 top
C1780  -  [unnamed#189]  205.26 93.42 270 top
C1781  -  [unnamed#8]  45.52 150.53 0 top
D4  -  [unnamed#30]  193 167.03 90 top
D5  -  [unnamed#30]  203 167.03 90 top
D7  -  [unnamed#45]  27.25 87.8 270 top
D8  -  [unnamed#79]  47.12 100.19 0 top
D9  -  [unnamed#30]  137.78 20.29 90 top
D10  -  [unnamed#45]  200.5 167.03 270 top
D11  -  [unnamed#45]  195.5 167.03 270 top
D12  -  [unnamed#30]  198 167.03 90 top
D13  -  [unnamed#45]  198 167.03 270 top
D14  -  [unnamed#30]  195.5 167.03 90 top
D15  -  [unnamed#141]  170.72 24.53 270 top
D16  -  [unnamed#45]  192.04 55.5 270 top
D17  -  [unnamed#45]  193 167.03 270 top
D19  -  [unnamed#30]  194.44 148.2 90 top
D32  -  [unnamed#132]  143.73 127.75 180 top
D33  -  [unnamed#79]  229.62 55.67 0 top
D35  -  [unnamed#45]  203 167.03 270 top
D36  -  [unnamed#132]  174.44 115.14 180 top
D37  -  [unnamed#45]  173.12 72.17 270 top
D38  -  [unnamed#45]  128.22 132.05 270 top
D39  -  [unnamed#45]  134.18 101.77 270 top
DS1  -  [unnamed#140]  42.13 145.18 180 top
DS2  -  [unnamed#133]  221.15 167.62 180 top
DS3  -  [unnamed#133]  208 163.78 180 top
DS4  -  [unnamed#15]  203.38 159.85 270 top
DS5  -  [unnamed#28]  205.38 160.16 90 top
DS6  -  [unnamed#15]  215.75 167.67 270 top
DS7  -  [unnamed#15]  217.38 167.67 270 top
DS8  -  [unnamed#15]  214.13 167.67 270 top
DS9  -  [unnamed#15]  212.5 167.67 270 top
DS10  -  [unnamed#15]  210.13 167.67 270 top
DS12  -  [unnamed#15]  208.38 167.67 270 top
DS13  -  [unnamed#15]  206.75 167.67 270 top
DS14  -  [unnamed#15]  222.13 159.71 270 top
DS15  -  [unnamed#15]  220.65 163.67 270 top
DS16  -  [unnamed#15]  218.88 163.67 270 top
DS17  -  [unnamed#15]  222.35 163.67 270 top
DS18  -  [unnamed#15]  205.13 167.67 270 top
DS19  -  [unnamed#15]  217.25 163.66 270 top
DS20  -  [unnamed#37]  211.23 150.72 0 top
DS21  -  [unnamed#15]  211.88 163.66 270 top
DS24  -  [unnamed#15]  215.63 163.66 270 top
DS25  -  [unnamed#15]  226.63 165.06 270 top
DS26  -  [unnamed#37]  201.38 141.3 0 top
DS27  -  [unnamed#15]  220.08 159.58 270 top
DS28  -  [unnamed#15]  218 159.71 270 top
DS34  -  [unnamed#28]  224.85 168.08 90 top
DS36  -  [unnamed#28]  209.5 160.16 90 top
DS42  -  [unnamed#60]  5.2 130.27 270 top
DS43  -  [unnamed#28]  2.3 138 90 top
DS44  -  [unnamed#28]  2.47 131.33 90 top
DS45  -  [unnamed#37]  5.07 137.5 0 top
DS46  -  [unnamed#15]  215.88 159.71 270 top
DS47  -  [unnamed#28]  207.38 160.15 90 top
DS48  -  [unnamed#28]  211.63 160.15 90 top
DS49  -  [unnamed#15]  213.7 163.63 270 top
EMICAGE1  -  [unnamed#90]  170.76 122.55 0 top
J1  -  [unnamed#110]  41.44 58.67 90 top
J2  -  [unnamed#156]  150.4 162 0 top
J3  -  [unnamed#46]  17.34 79.97 270 top
J4  -  [unnamed#61]  4.05 69.67 270 top
J5  -  [unnamed#100]  195.12 20.3 270 top
J6  -  [unnamed#158]  47.61 68.04 180 top
J7  -  [unnamed#113]  66.5 23.55 0 top
J8  -  [unnamed#65]  197.75 25.93 270 top
J9  -  [unnamed#65]  63.45 23.02 270 top
J10  -  [unnamed#105]  36.02 167.97 180 top
J11  -  [unnamed#25]  49.42 130.3 270 top
J12  -  [unnamed#65]  217.27 131.18 270 top
J13  -  [unnamed#25]  18.5 123.05 0 top
J14  -  [unnamed#161]  122.17 141.84 0 top
J15  -  [unnamed#124]  226.38 143.43 0 top
J16  -  [unnamed#25]  18.5 120.42 0 top
J17  -  [unnamed#25]  49.38 127.55 270 top
J18  -  [unnamed#25]  10.88 142.43 270 top
J19  -  [unnamed#25]  10.75 146.55 270 top
J20  -  [unnamed#25]  176.38 15.25 0 top
J21  -  [unnamed#25]  189.5 56.67 90 top
J22  -  [unnamed#47]  81.5 162 0 top
J23  -  [unnamed#25]  218.5 61.3 0 top
J24  -  [unnamed#25]  170.25 142.18 0 top
J25  -  [unnamed#25]  220.88 16.43 0 top
J26  -  [unnamed#25]  196.38 127.3 180 top
J27  -  [unnamed#25]  48 96.42 270 top
J28  -  [unnamed#25]  51.27 133.8 90 top
J30  -  [unnamed#98]  29.4 98.2 270 top
J31  -  [unnamed#53]  17.65 98.2 90 top
J32  -  [unnamed#144]  58.03 109.95 0 top
J33  -  [unnamed#131]  58.03 98.2 180 top
J34  -  [unnamed#98]  82.53 129.95 270 top
J35  -  [unnamed#53]  70.78 129.95 90 top
J36  -  [unnamed#118]  28.25 65.3 270 top
J38  -  [unnamed#25]  197.12 35.05 0 top
J39  -  [unnamed#59]  231.8 26.77 90 top
J52  -  [unnamed#127]  227.55 67.72 90 top
J53  -  [unnamed#170]  232.3 90.17 270 top
J54  -  [unnamed#25]  198.5 138.88 0 top
J58  -  [unnamed#25]  194.58 141.03 270 top
J63  -  [unnamed#25]  129.06 115.52 180 top
J65  -  [unnamed#25]  63.5 94.17 0 top
J70  -  [unnamed#25]  37.52 109.65 180 top
J73  -  [unnamed#168]  169.27 31.83 90 top
J78  -  [unnamed#99]  24.58 81.4 90 top
J82  -  [unnamed#95]  10.9 100.45 180 top
J83  -  [unnamed#116]  20.18 167.52 0 top
J86  -  [unnamed#25]  10.19 122.81 180 top
J88  -  [unnamed#25]  160.47 140.83 0 top
J96  -  [unnamed#110]  41.44 33.5 90 top
J97  -  [unnamed#25]  49.6 102.9 90 top
J99  -  [unnamed#25]  65.98 124.32 180 top
J100  -  [unnamed#25]  139.38 124.32 180 top
J101  -  [unnamed#25]  228.96 53.15 270 top
J103  -  [unnamed#25]  198.12 30.3 180 top
J104  -  [unnamed#25]  63.78 136.6 90 top
J105  -  [unnamed#138]  88.94 127.11 0 top
J106  -  [unnamed#61]  4.05 82.3 270 top
J107  -  [unnamed#25]  186.12 76.42 180 top
J108  -  [unnamed#25]  170.5 73.55 0 top
J109  -  [unnamed#25]  130.6 136.55 270 top
J110  -  [unnamed#65]  26.51 128.66 270 top
L1  -  [unnamed#20]  63.75 52.67 0 top
L2  -  [unnamed#40]  63.61 56.59 180 top
L3  -  [unnamed#104]  189.16 140.93 90 top
L4  -  [unnamed#75]  49.23 88.47 270 top
L5  -  [unnamed#75]  41.73 88.47 270 top
L6  -  [unnamed#178]  216.47 68.92 0 top
L7  -  [unnamed#107]  198.09 57.92 270 top
L8  -  [unnamed#40]  203.19 65 90 top
L13  -  [unnamed#66]  122.88 26.93 90 top
L22  -  [unnamed#120]  170.28 131.18 180 top
L31  -  [unnamed#4]  84.12 29.48 90 top
L34  -  [unnamed#185]  6.75 72.17 180 top
L35  -  [unnamed#185]  6.9 67.9 180 top
L48  -  [unnamed#20]  183.56 133.85 270 top
L60  -  [unnamed#10]  28.96 131.45 180 top
L61  -  [unnamed#33]  26 132.97 270 top
L62  -  [unnamed#189]  20.43 140.88 270 top
L63  -  [unnamed#192]  13.81 121.69 90 top
L65  -  [unnamed#81]  38.19 127.07 90 top
L66  -  [unnamed#86]  48.74 111.06 0 top
L67  -  [unnamed#91]  42.98 115.12 180 top
L70  -  [unnamed#20]  63.59 34.25 0 top
L71  -  [unnamed#20]  63.62 26.18 0 top
L72  -  [unnamed#40]  63.61 30.16 180 top
L73  -  [unnamed#188]  60.9 123.96 90 top
L74  -  [unnamed#104]  220.73 52.55 90 top
L75  -  [unnamed#103]  191.48 46.87 0 top
L76  -  [unnamed#112]  161.8 105.35 270 top
L77  -  [unnamed#120]  205.03 41.8 180 top
L79  -  [unnamed#81]  187.7 16.05 90 top
L80  -  [unnamed#88]  150.8 122.72 180 top
L82  -  [unnamed#58]  157.87 118.62 0 top
L83  -  [unnamed#20]  218.31 45.73 270 top
L85  -  [unnamed#20]  190.7 24.47 270 top
L86  -  [unnamed#20]  63.59 61.67 0 top
L87  -  [unnamed#66]  120.88 26.93 90 top
L88  -  [unnamed#88]  184.27 70.65 180 top
L89  -  [unnamed#107]  136.56 136.17 270 top
L90  -  [unnamed#120]  176.56 57.42 180 top
L91  -  [unnamed#112]  146.93 130.92 270 top
L92  -  [unnamed#171]  227.5 128.43 180 top
L93  -  [unnamed#185]  6.75 84.8 180 top
L94  -  [unnamed#185]  6.9 80.52 180 top
L95  -  [unnamed#71]  198.3 103.2 0 top
L96  -  [unnamed#190]  228.56 94.67 270 top
L97  -  [unnamed#186]  172.72 53.34 0 top
L98  -  [unnamed#186]  156.15 133.03 0 top
MH1  -  [unnamed#191]  232.5 167.93 0 top
MH2  -  [unnamed#191]  116.75 135.43 0 top
MH3  -  [unnamed#191]  129.25 21.05 0 top
MH4  -  [unnamed#191]  5.38 143.81 0 top
MH5  -  [unnamed#191]  232.5 16.33 0 top
MH6  -  [unnamed#191]  7.38 9.18 0 top
MH7  -  [unnamed#191]  7.38 93.22 0 top
NOREF  -  [#19]  57.48 40.49 0 top
NOREF#2  -  [#19]  12 12.65 0 top
NOREF#3  -  [#19]  108.26 159 0 top
NOREF#4  -  [#19]  105.88 153.88 90 top
NOREF#5  -  [#19]  105.88 153.88 90 top
NOREF#6  -  [#19]  57.48 41.18 0 top
NOREF#7  -  [#19]  81.5 162 0 top
NOREF#8  -  [#19]  50.51 163.98 0 top
NOREF#9  -  [#19]  62.4 41.96 90 top
NOREF#10  -  [#19]  227.38 170.03 0 top
NOREF#11  -  [#19]  12.12 12.65 0 top
NOREF#12  -  [#19]  108.26 159 90 top
NOREF#13  -  [#19]  58.17 40.49 0 top
NOREF#14  -  [#19]  226.38 17.52 0 top
NOREF#15  -  [#19]  226.5 17.52 0 top
NOREF#16  -  [#19]  54.74 162 0 top
NOREF#17  -  [#19]  112.51 163.98 90 top
NOREF#18  -  [#19]  59.94 42.95 0 top
NOREF#19  -  [#19]  57.48 44.72 0 top
NOREF#20  -  [#19]  105.88 170.13 0 top
NOREF#21  -  [#19]  57.48 40.49 90 top
NOREF#22  -  [#19]  57.12 170.13 0 top
NOREF#23  -  [#19]  105.88 153.88 90 top
NOREF#24  -  [#19]  227.5 170.03 0 top
Q1  -  [unnamed#111]  211.88 143.41 270 top
Q2  -  [unnamed#9]  216.45 156.97 0 top
Q3  -  [unnamed#9]  2.47 128.34 0 top
Q4  -  [unnamed#68]  220 155.66 90 top
Q5  -  [unnamed#9]  213.52 153.9 0 top
Q6  -  [unnamed#9]  215.88 153.91 0 top
Q7  -  [unnamed#41]  5.49 126.41 270 top
Q8  -  [unnamed#9]  198.7 154.34 0 top
Q9  -  [unnamed#51]  188.41 134.55 180 top
Q10  -  [unnamed#9]  200.82 153.84 0 top
Q11  -  [unnamed#9]  204.82 156.97 0 top
Q12  -  [unnamed#9]  206.7 156.97 0 top
Q13  -  [unnamed#9]  208.7 156.97 0 top
Q14  -  [unnamed#9]  210.57 156.97 0 top
Q15  -  [unnamed#9]  212.45 156.97 0 top
Q16  -  [unnamed#9]  214.45 156.97 0 top
Q17  -  [unnamed#9]  204.82 153.84 0 top
Q18  -  [unnamed#9]  47.16 140.94 0 top
